# KiCad board SparkFun_Thing_Plus_ESP32-S3_panelized.kicad_pcb (continued)
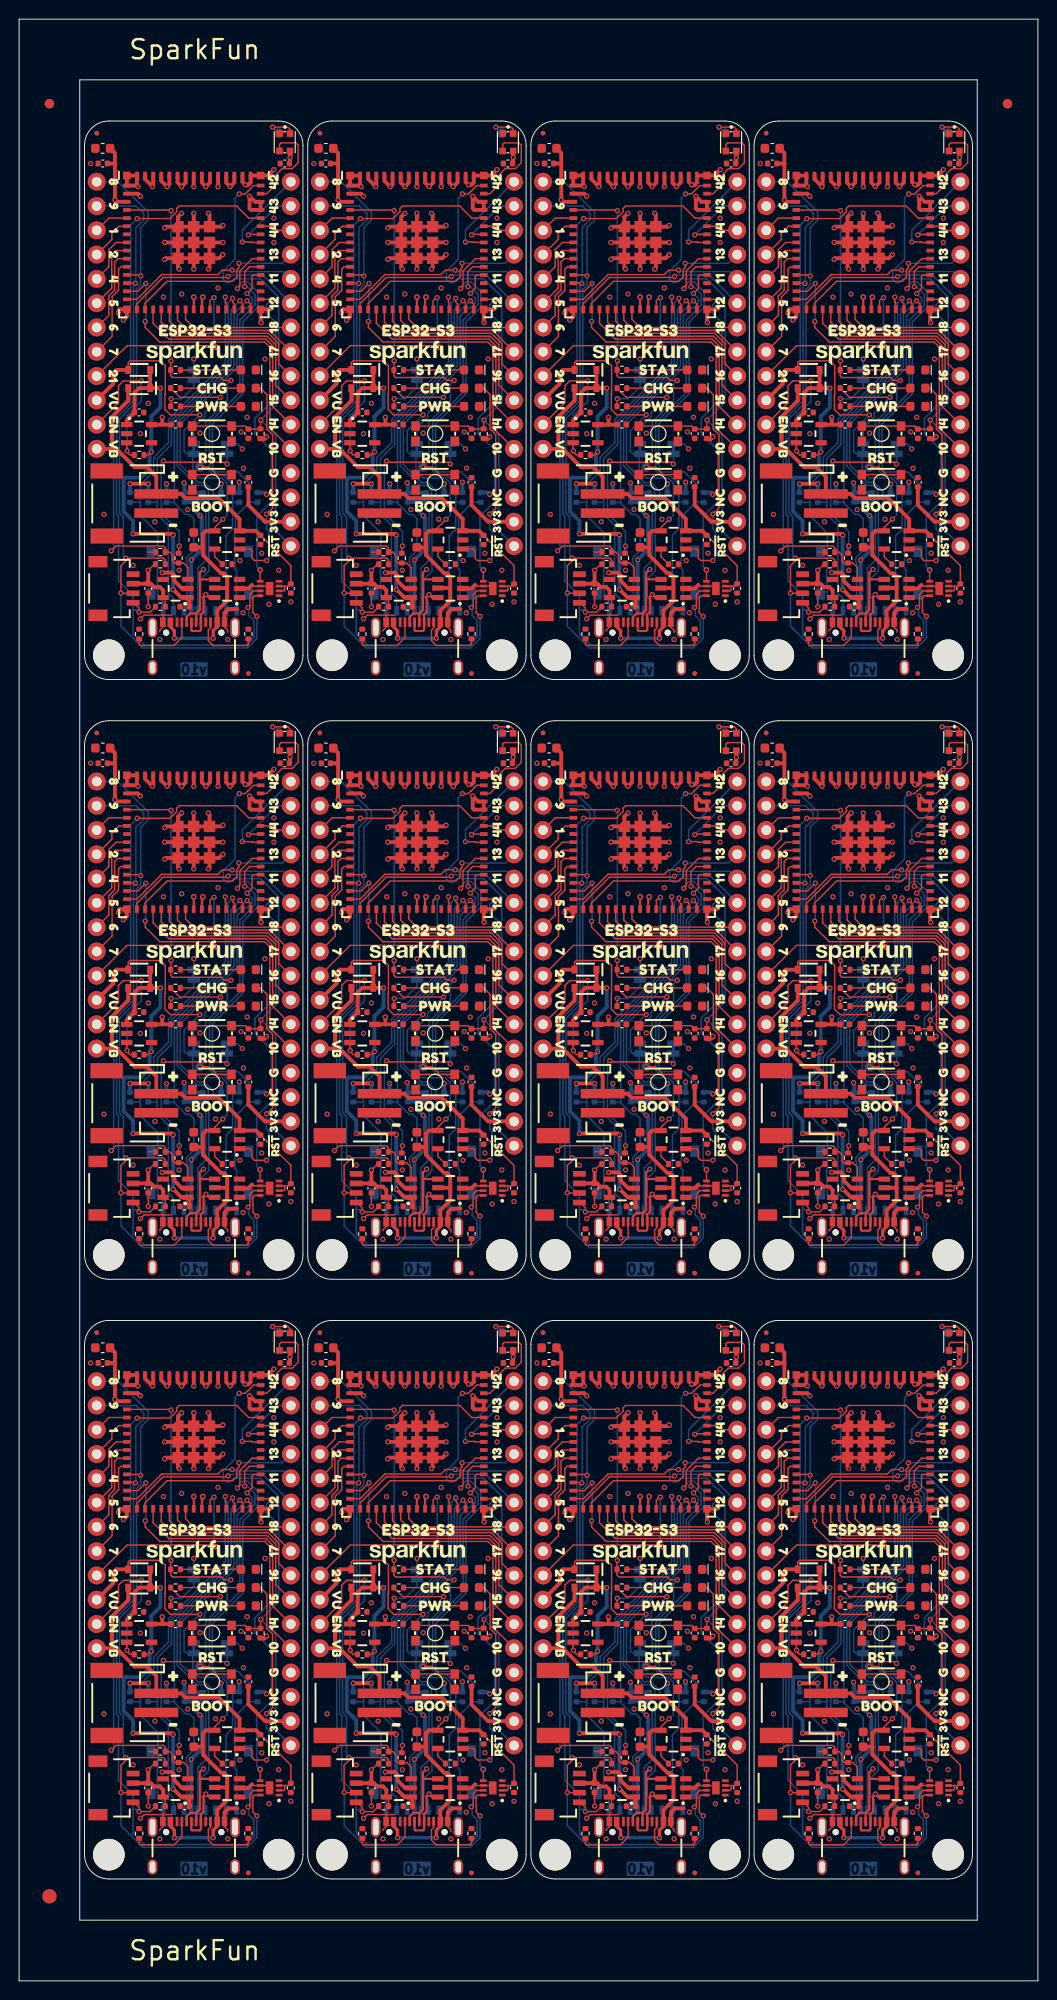
[diagram p0: board, top side]
## Placement (name value [footprint] x y rotation side) (continued)
kibuzzard-65A99354  G***  [kibuzzard-65A99354]  9.9 175.49 180 bottom
kibuzzard-65A99354#2  G***  [kibuzzard-65A99354]  9.9 112.76 180 bottom
kibuzzard-65A99354#3  G***  [kibuzzard-65A99354]  56.62 112.76 180 bottom
kibuzzard-65A99354#4  G***  [kibuzzard-65A99354]  33.26 112.76 180 bottom
kibuzzard-65A99354#5  G***  [kibuzzard-65A99354]  33.26 175.49 180 bottom
kibuzzard-65A99354#6  G***  [kibuzzard-65A99354]  33.26 50.03 180 bottom
kibuzzard-65A99354#7  G***  [kibuzzard-65A99354]  56.62 50.03 180 bottom
kibuzzard-65A99354#8  G***  [kibuzzard-65A99354]  79.98 112.76 180 bottom
kibuzzard-65A99354#9  G***  [kibuzzard-65A99354]  79.98 50.03 180 bottom
kibuzzard-65A99354#10  G***  [kibuzzard-65A99354]  79.98 175.49 180 bottom
kibuzzard-65A99354#11  G***  [kibuzzard-65A99354]  56.62 175.49 180 bottom
kibuzzard-65A99354#12  G***  [kibuzzard-65A99354]  9.9 50.03 180 bottom
kibuzzard-65A99359  G***  [kibuzzard-65A99359]  79.98 47.49 180 bottom
kibuzzard-65A99359#2  G***  [kibuzzard-65A99359]  33.26 47.49 180 bottom
kibuzzard-65A99359#3  G***  [kibuzzard-65A99359]  56.62 47.49 180 bottom
kibuzzard-65A99359#4  G***  [kibuzzard-65A99359]  33.26 172.95 180 bottom
kibuzzard-65A99359#5  G***  [kibuzzard-65A99359]  56.62 110.22 180 bottom
kibuzzard-65A99359#6  G***  [kibuzzard-65A99359]  9.9 110.22 180 bottom
kibuzzard-65A99359#7  G***  [kibuzzard-65A99359]  33.26 110.22 180 bottom
kibuzzard-65A99359#8  G***  [kibuzzard-65A99359]  9.9 172.95 180 bottom
kibuzzard-65A99359#9  G***  [kibuzzard-65A99359]  56.62 172.95 180 bottom
kibuzzard-65A99359#10  G***  [kibuzzard-65A99359]  79.98 110.22 180 bottom
kibuzzard-65A99359#11  G***  [kibuzzard-65A99359]  79.98 172.95 180 bottom
kibuzzard-65A99359#12  G***  [kibuzzard-65A99359]  9.9 47.49 180 bottom
kibuzzard-65A99360  G***  [kibuzzard-65A99360]  33.64 167.87 180 bottom
kibuzzard-65A99360#2  G***  [kibuzzard-65A99360]  33.64 42.41 180 bottom
kibuzzard-65A99360#3  G***  [kibuzzard-65A99360]  80.36 167.87 180 bottom
kibuzzard-65A99360#4  G***  [kibuzzard-65A99360]  10.28 105.14 180 bottom
kibuzzard-65A99360#5  G***  [kibuzzard-65A99360]  10.28 167.87 180 bottom
kibuzzard-65A99360#6  G***  [kibuzzard-65A99360]  33.64 105.14 180 bottom
kibuzzard-65A99360#7  G***  [kibuzzard-65A99360]  57 167.87 180 bottom
kibuzzard-65A99360#8  G***  [kibuzzard-65A99360]  57 42.41 180 bottom
kibuzzard-65A99360#9  G***  [kibuzzard-65A99360]  80.36 105.14 180 bottom
kibuzzard-65A99360#10  G***  [kibuzzard-65A99360]  57 105.14 180 bottom
kibuzzard-65A99360#11  G***  [kibuzzard-65A99360]  80.36 42.41 180 bottom
kibuzzard-65A99360#12  G***  [kibuzzard-65A99360]  10.28 42.41 180 bottom
kibuzzard-65A99364  G***  [kibuzzard-65A99364]  34.27 102.6 180 bottom
kibuzzard-65A99364#2  G***  [kibuzzard-65A99364]  80.99 102.6 180 bottom
kibuzzard-65A99364#3  G***  [kibuzzard-65A99364]  10.91 102.6 180 bottom
kibuzzard-65A99364#4  G***  [kibuzzard-65A99364]  10.91 165.33 180 bottom
kibuzzard-65A99364#5  G***  [kibuzzard-65A99364]  34.27 39.87 180 bottom
kibuzzard-65A99364#6  G***  [kibuzzard-65A99364]  34.27 165.33 180 bottom
kibuzzard-65A99364#7  G***  [kibuzzard-65A99364]  57.63 39.87 180 bottom
kibuzzard-65A99364#8  G***  [kibuzzard-65A99364]  57.63 102.6 180 bottom
kibuzzard-65A99364#9  G***  [kibuzzard-65A99364]  57.63 165.33 180 bottom
kibuzzard-65A99364#10  G***  [kibuzzard-65A99364]  80.99 39.87 180 bottom
kibuzzard-65A99364#11  G***  [kibuzzard-65A99364]  80.99 165.33 180 bottom
kibuzzard-65A99364#12  G***  [kibuzzard-65A99364]  10.91 39.87 180 bottom
kibuzzard-65A99367  G***  [kibuzzard-65A99367]  10.28 100.06 180 bottom
kibuzzard-65A99367#2  G***  [kibuzzard-65A99367]  10.28 162.79 180 bottom
kibuzzard-65A99367#3  G***  [kibuzzard-65A99367]  33.64 37.33 180 bottom
kibuzzard-65A99367#4  G***  [kibuzzard-65A99367]  57 37.33 180 bottom
kibuzzard-65A99367#5  G***  [kibuzzard-65A99367]  80.36 37.33 180 bottom
kibuzzard-65A99367#6  G***  [kibuzzard-65A99367]  57 162.79 180 bottom
kibuzzard-65A99367#7  G***  [kibuzzard-65A99367]  33.64 100.06 180 bottom
kibuzzard-65A99367#8  G***  [kibuzzard-65A99367]  80.36 100.06 180 bottom
kibuzzard-65A99367#9  G***  [kibuzzard-65A99367]  57 100.06 180 bottom
kibuzzard-65A99367#10  G***  [kibuzzard-65A99367]  80.36 162.79 180 bottom
kibuzzard-65A99367#11  G***  [kibuzzard-65A99367]  33.64 162.79 180 bottom
kibuzzard-65A99367#12  G***  [kibuzzard-65A99367]  10.28 37.33 180 bottom
kibuzzard-65A99912  G***  [kibuzzard-65A99912]  79.98 34.79 270 top
kibuzzard-65A99912#2  G***  [kibuzzard-65A99912]  56.62 160.25 270 top
kibuzzard-65A99912#3  G***  [kibuzzard-65A99912]  9.9 160.25 270 top
kibuzzard-65A99912#4  G***  [kibuzzard-65A99912]  33.26 97.52 270 top
kibuzzard-65A99912#5  G***  [kibuzzard-65A99912]  56.62 97.52 270 top
kibuzzard-65A99912#6  G***  [kibuzzard-65A99912]  33.26 34.79 270 top
kibuzzard-65A99912#7  G***  [kibuzzard-65A99912]  33.26 160.25 270 top
kibuzzard-65A99912#8  G***  [kibuzzard-65A99912]  9.9 97.52 270 top
kibuzzard-65A99912#9  G***  [kibuzzard-65A99912]  56.62 34.79 270 top
kibuzzard-65A99912#10  G***  [kibuzzard-65A99912]  79.98 97.52 270 top
kibuzzard-65A99912#11  G***  [kibuzzard-65A99912]  79.98 160.25 270 top
kibuzzard-65A99912#12  G***  [kibuzzard-65A99912]  9.9 34.79 270 top
kibuzzard-65A99933  G***  [kibuzzard-65A99933]  50.53 66.54 180 bottom
kibuzzard-65A99933#2  G***  [kibuzzard-65A99933]  50.53 192 180 bottom
kibuzzard-65A99933#3  G***  [kibuzzard-65A99933]  27.17 129.27 180 bottom
kibuzzard-65A99933#4  G***  [kibuzzard-65A99933]  27.17 192 180 bottom
kibuzzard-65A99933#5  G***  [kibuzzard-65A99933]  50.53 129.27 180 bottom
kibuzzard-65A99933#6  G***  [kibuzzard-65A99933]  73.89 66.54 180 bottom
kibuzzard-65A99933#7  G***  [kibuzzard-65A99933]  97.25 66.54 180 bottom
kibuzzard-65A99933#8  G***  [kibuzzard-65A99933]  97.25 129.27 180 bottom
kibuzzard-65A99933#9  G***  [kibuzzard-65A99933]  73.89 192 180 bottom
kibuzzard-65A99933#10  G***  [kibuzzard-65A99933]  73.89 129.27 180 bottom
kibuzzard-65A99933#11  G***  [kibuzzard-65A99933]  97.25 192 180 bottom
kibuzzard-65A99933#12  G***  [kibuzzard-65A99933]  27.17 66.54 180 bottom
kibuzzard-65AA9C9F  G***  [kibuzzard-65AA9C9F]  21.77 164.38 270 bottom
kibuzzard-65AA9C9F#2  G***  [kibuzzard-65AA9C9F]  45.13 101.65 270 bottom
kibuzzard-65AA9C9F#3  G***  [kibuzzard-65AA9C9F]  45.13 164.38 270 bottom
kibuzzard-65AA9C9F#4  G***  [kibuzzard-65AA9C9F]  68.49 38.92 270 bottom
kibuzzard-65AA9C9F#5  G***  [kibuzzard-65AA9C9F]  68.49 101.65 270 bottom
kibuzzard-65AA9C9F#6  G***  [kibuzzard-65AA9C9F]  91.85 38.92 270 bottom
kibuzzard-65AA9C9F#7  G***  [kibuzzard-65AA9C9F]  91.85 101.65 270 bottom
kibuzzard-65AA9C9F#8  G***  [kibuzzard-65AA9C9F]  21.77 101.65 270 bottom
kibuzzard-65AA9C9F#9  G***  [kibuzzard-65AA9C9F]  68.49 164.38 270 bottom
kibuzzard-65AA9C9F#10  G***  [kibuzzard-65AA9C9F]  45.13 38.92 270 bottom
kibuzzard-65AA9C9F#11  G***  [kibuzzard-65AA9C9F]  91.85 164.38 270 bottom
kibuzzard-65AA9C9F#12  G***  [kibuzzard-65AA9C9F]  21.77 38.92 270 bottom
kibuzzard-656A3D93  G***  [kibuzzard-656A3D93]  26.66 89.9 90 top
kibuzzard-656A3D93#2  G***  [kibuzzard-656A3D93]  50.02 89.9 90 top
kibuzzard-656A3D93#3  G***  [kibuzzard-656A3D93]  50.02 152.63 90 top
kibuzzard-656A3D93#4  G***  [kibuzzard-656A3D93]  50.02 27.17 90 top
kibuzzard-656A3D93#5  G***  [kibuzzard-656A3D93]  73.38 27.17 90 top
kibuzzard-656A3D93#6  G***  [kibuzzard-656A3D93]  73.38 89.9 90 top
kibuzzard-656A3D93#7  G***  [kibuzzard-656A3D93]  26.66 152.63 90 top
kibuzzard-656A3D93#8  G***  [kibuzzard-656A3D93]  73.38 152.63 90 top
kibuzzard-656A3D93#9  G***  [kibuzzard-656A3D93]  96.74 152.63 90 top
kibuzzard-656A3D93#10  G***  [kibuzzard-656A3D93]  96.74 27.17 90 top
kibuzzard-656A3D93#11  G***  [kibuzzard-656A3D93]  96.74 89.9 90 top
kibuzzard-656A3D93#12  G***  [kibuzzard-656A3D93]  26.66 27.17 90 top
kibuzzard-656A31AF  G***  [kibuzzard-656A31AF]  47.35 41.14 270 bottom
kibuzzard-656A31AF#2  G***  [kibuzzard-656A31AF]  70.72 103.87 270 bottom
kibuzzard-656A31AF#3  G***  [kibuzzard-656A31AF]  70.72 166.6 270 bottom
kibuzzard-656A31AF#4  G***  [kibuzzard-656A31AF]  24 166.6 270 bottom
kibuzzard-656A31AF#5  G***  [kibuzzard-656A31AF]  47.35 166.6 270 bottom
kibuzzard-656A31AF#6  G***  [kibuzzard-656A31AF]  47.35 103.87 270 bottom
kibuzzard-656A31AF#7  G***  [kibuzzard-656A31AF]  24 103.87 270 bottom
kibuzzard-656A31AF#8  G***  [kibuzzard-656A31AF]  70.72 41.14 270 bottom
kibuzzard-656A31AF#9  G***  [kibuzzard-656A31AF]  94.07 41.14 270 bottom
kibuzzard-656A31AF#10  G***  [kibuzzard-656A31AF]  94.07 103.87 270 bottom
kibuzzard-656A31AF#11  G***  [kibuzzard-656A31AF]  94.07 166.6 270 bottom
kibuzzard-656A31AF#12  G***  [kibuzzard-656A31AF]  24 41.14 270 bottom
kibuzzard-656A32A0  G***  [kibuzzard-656A32A0]  65 100.57 270 bottom
kibuzzard-656A32A0#2  G***  [kibuzzard-656A32A0]  88.36 100.57 270 bottom
kibuzzard-656A32A0#3  G***  [kibuzzard-656A32A0]  41.64 37.84 270 bottom
kibuzzard-656A32A0#4  G***  [kibuzzard-656A32A0]  18.28 100.57 270 bottom
kibuzzard-656A32A0#5  G***  [kibuzzard-656A32A0]  18.28 163.3 270 bottom
kibuzzard-656A32A0#6  G***  [kibuzzard-656A32A0]  41.64 163.3 270 bottom
kibuzzard-656A32A0#7  G***  [kibuzzard-656A32A0]  88.36 37.84 270 bottom
kibuzzard-656A32A0#8  G***  [kibuzzard-656A32A0]  88.36 163.3 270 bottom
kibuzzard-656A32A0#9  G***  [kibuzzard-656A32A0]  41.64 100.57 270 bottom
kibuzzard-656A32A0#10  G***  [kibuzzard-656A32A0]  65 163.3 270 bottom
kibuzzard-656A32A0#11  G***  [kibuzzard-656A32A0]  65 37.84 270 bottom
kibuzzard-656A32A0#12  G***  [kibuzzard-656A32A0]  18.28 37.84 270 bottom
kibuzzard-656A32FE  G***  [kibuzzard-656A32FE]  88.36 171.17 270 bottom
kibuzzard-656A32FE#2  G***  [kibuzzard-656A32FE]  41.64 45.71 270 bottom
kibuzzard-656A32FE#3  G***  [kibuzzard-656A32FE]  65 45.71 270 bottom
kibuzzard-656A32FE#4  G***  [kibuzzard-656A32FE]  65 171.17 270 bottom
kibuzzard-656A32FE#5  G***  [kibuzzard-656A32FE]  88.36 45.71 270 bottom
kibuzzard-656A32FE#6  G***  [kibuzzard-656A32FE]  65 108.44 270 bottom
kibuzzard-656A32FE#7  G***  [kibuzzard-656A32FE]  41.64 171.17 270 bottom
kibuzzard-656A32FE#8  G***  [kibuzzard-656A32FE]  18.28 108.44 270 bottom
kibuzzard-656A32FE#9  G***  [kibuzzard-656A32FE]  88.36 108.44 270 bottom
kibuzzard-656A32FE#10  G***  [kibuzzard-656A32FE]  18.28 171.17 270 bottom
kibuzzard-656A32FE#11  G***  [kibuzzard-656A32FE]  41.64 108.44 270 bottom
kibuzzard-656A32FE#12  G***  [kibuzzard-656A32FE]  18.28 45.71 270 bottom
kibuzzard-656A35A5  G***  [kibuzzard-656A35A5]  96.74 39.87 90 top
kibuzzard-656A35A5#2  G***  [kibuzzard-656A35A5]  73.38 102.6 90 top
kibuzzard-656A35A5#3  G***  [kibuzzard-656A35A5]  96.74 165.33 90 top
kibuzzard-656A35A5#4  G***  [kibuzzard-656A35A5]  50.02 39.87 90 top
kibuzzard-656A35A5#5  G***  [kibuzzard-656A35A5]  50.02 102.6 90 top
kibuzzard-656A35A5#6  G***  [kibuzzard-656A35A5]  50.02 165.33 90 top
kibuzzard-656A35A5#7  G***  [kibuzzard-656A35A5]  73.38 39.87 90 top
kibuzzard-656A35A5#8  G***  [kibuzzard-656A35A5]  26.66 102.6 90 top
kibuzzard-656A35A5#9  G***  [kibuzzard-656A35A5]  26.66 165.33 90 top
kibuzzard-656A35A5#10  G***  [kibuzzard-656A35A5]  73.38 165.33 90 top
kibuzzard-656A35A5#11  G***  [kibuzzard-656A35A5]  96.74 102.6 90 top
kibuzzard-656A35A5#12  G***  [kibuzzard-656A35A5]  26.66 39.87 90 top
kibuzzard-656A35AD  G***  [kibuzzard-656A35AD]  26.66 100.06 90 top
kibuzzard-656A35AD#2  G***  [kibuzzard-656A35AD]  26.66 162.79 90 top
kibuzzard-656A35AD#3  G***  [kibuzzard-656A35AD]  50.02 37.33 90 top
kibuzzard-656A35AD#4  G***  [kibuzzard-656A35AD]  50.02 162.79 90 top
kibuzzard-656A35AD#5  G***  [kibuzzard-656A35AD]  50.02 100.06 90 top
kibuzzard-656A35AD#6  G***  [kibuzzard-656A35AD]  73.38 37.33 90 top
kibuzzard-656A35AD#7  G***  [kibuzzard-656A35AD]  96.74 37.33 90 top
kibuzzard-656A35AD#8  G***  [kibuzzard-656A35AD]  73.38 100.06 90 top
kibuzzard-656A35AD#9  G***  [kibuzzard-656A35AD]  73.38 162.79 90 top
kibuzzard-656A35AD#10  G***  [kibuzzard-656A35AD]  96.74 100.06 90 top
kibuzzard-656A35AD#11  G***  [kibuzzard-656A35AD]  96.74 162.79 90 top
kibuzzard-656A35AD#12  G***  [kibuzzard-656A35AD]  26.66 37.33 90 top
kibuzzard-656A35B5  G***  [kibuzzard-656A35B5]  96.74 34.79 90 top
kibuzzard-656A35B5#2  G***  [kibuzzard-656A35B5]  50.02 97.52 90 top
kibuzzard-656A35B5#3  G***  [kibuzzard-656A35B5]  50.02 160.25 90 top
kibuzzard-656A35B5#4  G***  [kibuzzard-656A35B5]  73.38 160.25 90 top
kibuzzard-656A35B5#5  G***  [kibuzzard-656A35B5]  50.02 34.79 90 top
kibuzzard-656A35B5#6  G***  [kibuzzard-656A35B5]  96.74 97.52 90 top
kibuzzard-656A35B5#7  G***  [kibuzzard-656A35B5]  73.38 34.79 90 top
kibuzzard-656A35B5#8  G***  [kibuzzard-656A35B5]  73.38 97.52 90 top
kibuzzard-656A35B5#9  G***  [kibuzzard-656A35B5]  26.66 97.52 90 top
kibuzzard-656A35B5#10  G***  [kibuzzard-656A35B5]  26.66 160.25 90 top
kibuzzard-656A35B5#11  G***  [kibuzzard-656A35B5]  96.74 160.25 90 top
kibuzzard-656A35B5#12  G***  [kibuzzard-656A35B5]  26.66 34.79 90 top
kibuzzard-656A35BC  G***  [kibuzzard-656A35BC]  73.38 94.98 90 top
kibuzzard-656A35BC#2  G***  [kibuzzard-656A35BC]  50.02 32.25 90 top
kibuzzard-656A35BC#3  G***  [kibuzzard-656A35BC]  73.38 157.71 90 top
kibuzzard-656A35BC#4  G***  [kibuzzard-656A35BC]  96.74 94.98 90 top
kibuzzard-656A35BC#5  G***  [kibuzzard-656A35BC]  50.02 94.98 90 top
kibuzzard-656A35BC#6  G***  [kibuzzard-656A35BC]  96.74 32.25 90 top
kibuzzard-656A35BC#7  G***  [kibuzzard-656A35BC]  96.74 157.71 90 top
kibuzzard-656A35BC#8  G***  [kibuzzard-656A35BC]  26.66 94.98 90 top
kibuzzard-656A35BC#9  G***  [kibuzzard-656A35BC]  50.02 157.71 90 top
kibuzzard-656A35BC#10  G***  [kibuzzard-656A35BC]  26.66 157.71 90 top
kibuzzard-656A35BC#11  G***  [kibuzzard-656A35BC]  73.38 32.25 90 top
kibuzzard-656A35BC#12  G***  [kibuzzard-656A35BC]  26.66 32.25 90 top
kibuzzard-656A35C4  G***  [kibuzzard-656A35C4]  26.66 92.44 90 top
kibuzzard-656A35C4#2  G***  [kibuzzard-656A35C4]  50.02 29.71 90 top
kibuzzard-656A35C4#3  G***  [kibuzzard-656A35C4]  26.66 155.17 90 top
kibuzzard-656A35C4#4  G***  [kibuzzard-656A35C4]  96.74 155.17 90 top
kibuzzard-656A35C4#5  G***  [kibuzzard-656A35C4]  96.74 92.44 90 top
kibuzzard-656A35C4#6  G***  [kibuzzard-656A35C4]  73.38 29.71 90 top
kibuzzard-656A35C4#7  G***  [kibuzzard-656A35C4]  50.02 155.17 90 top
kibuzzard-656A35C4#8  G***  [kibuzzard-656A35C4]  73.38 92.44 90 top
kibuzzard-656A35C4#9  G***  [kibuzzard-656A35C4]  73.38 155.17 90 top
kibuzzard-656A35C4#10  G***  [kibuzzard-656A35C4]  96.74 29.71 90 top
kibuzzard-656A35C4#11  G***  [kibuzzard-656A35C4]  50.02 92.44 90 top
kibuzzard-656A35C4#12  G***  [kibuzzard-656A35C4]  26.66 29.71 90 top
kibuzzard-656A36A2  G***  [kibuzzard-656A36A2]  79.98 175.49 270 top
kibuzzard-656A36A2#2  G***  [kibuzzard-656A36A2]  9.9 175.49 270 top
kibuzzard-656A36A2#3  G***  [kibuzzard-656A36A2]  79.98 50.03 270 top
kibuzzard-656A36A2#4  G***  [kibuzzard-656A36A2]  56.62 175.49 270 top
kibuzzard-656A36A2#5  G***  [kibuzzard-656A36A2]  33.26 50.03 270 top
kibuzzard-656A36A2#6  G***  [kibuzzard-656A36A2]  33.26 112.76 270 top
kibuzzard-656A36A2#7  G***  [kibuzzard-656A36A2]  79.98 112.76 270 top
kibuzzard-656A36A2#8  G***  [kibuzzard-656A36A2]  33.26 175.49 270 top
kibuzzard-656A36A2#9  G***  [kibuzzard-656A36A2]  9.9 112.76 270 top
kibuzzard-656A36A2#10  G***  [kibuzzard-656A36A2]  56.62 112.76 270 top
kibuzzard-656A36A2#11  G***  [kibuzzard-656A36A2]  56.62 50.03 270 top
kibuzzard-656A36A2#12  G***  [kibuzzard-656A36A2]  9.9 50.03 270 top
kibuzzard-656A36A7  G***  [kibuzzard-656A36A7]  33.26 47.49 270 top
kibuzzard-656A36A7#2  G***  [kibuzzard-656A36A7]  79.98 47.49 270 top
kibuzzard-656A36A7#3  G***  [kibuzzard-656A36A7]  79.98 110.22 270 top
kibuzzard-656A36A7#4  G***  [kibuzzard-656A36A7]  33.26 172.95 270 top
kibuzzard-656A36A7#5  G***  [kibuzzard-656A36A7]  9.9 172.95 270 top
kibuzzard-656A36A7#6  G***  [kibuzzard-656A36A7]  56.62 172.95 270 top
kibuzzard-656A36A7#7  G***  [kibuzzard-656A36A7]  79.98 172.95 270 top
kibuzzard-656A36A7#8  G***  [kibuzzard-656A36A7]  56.62 47.49 270 top
kibuzzard-656A36A7#9  G***  [kibuzzard-656A36A7]  9.9 110.22 270 top
kibuzzard-656A36A7#10  G***  [kibuzzard-656A36A7]  33.26 110.22 270 top
kibuzzard-656A36A7#11  G***  [kibuzzard-656A36A7]  56.62 110.22 270 top
kibuzzard-656A36A7#12  G***  [kibuzzard-656A36A7]  9.9 47.49 270 top
kibuzzard-656A36C2  G***  [kibuzzard-656A36C2]  9.9 107.68 270 top
kibuzzard-656A36C2#2  G***  [kibuzzard-656A36C2]  9.9 170.41 270 top
kibuzzard-656A36C2#3  G***  [kibuzzard-656A36C2]  33.26 44.95 270 top
kibuzzard-656A36C2#4  G***  [kibuzzard-656A36C2]  33.26 107.68 270 top
kibuzzard-656A36C2#5  G***  [kibuzzard-656A36C2]  33.26 170.41 270 top
kibuzzard-656A36C2#6  G***  [kibuzzard-656A36C2]  56.62 44.95 270 top
kibuzzard-656A36C2#7  G***  [kibuzzard-656A36C2]  79.98 170.41 270 top
kibuzzard-656A36C2#8  G***  [kibuzzard-656A36C2]  56.62 107.68 270 top
kibuzzard-656A36C2#9  G***  [kibuzzard-656A36C2]  56.62 170.41 270 top
kibuzzard-656A36C2#10  G***  [kibuzzard-656A36C2]  79.98 107.68 270 top
kibuzzard-656A36C2#11  G***  [kibuzzard-656A36C2]  79.98 44.95 270 top
kibuzzard-656A36C2#12  G***  [kibuzzard-656A36C2]  9.9 44.95 270 top
kibuzzard-656A47C5  G***  [kibuzzard-656A47C5]  96.74 125.46 90 top
kibuzzard-656A47C5#2  G***  [kibuzzard-656A47C5]  96.74 188.19 90 top
kibuzzard-656A47C5#3  G***  [kibuzzard-656A47C5]  73.38 125.46 90 top
kibuzzard-656A47C5#4  G***  [kibuzzard-656A47C5]  50.02 62.73 90 top
kibuzzard-656A47C5#5  G***  [kibuzzard-656A47C5]  26.66 188.19 90 top
kibuzzard-656A47C5#6  G***  [kibuzzard-656A47C5]  50.02 125.46 90 top
kibuzzard-656A47C5#7  G***  [kibuzzard-656A47C5]  26.66 125.46 90 top
kibuzzard-656A47C5#8  G***  [kibuzzard-656A47C5]  50.02 188.19 90 top
kibuzzard-656A47C5#9  G***  [kibuzzard-656A47C5]  73.38 62.73 90 top
kibuzzard-656A47C5#10  G***  [kibuzzard-656A47C5]  73.38 188.19 90 top
kibuzzard-656A47C5#11  G***  [kibuzzard-656A47C5]  96.74 62.73 90 top
kibuzzard-656A47C5#12  G***  [kibuzzard-656A47C5]  26.66 62.73 90 top
kibuzzard-656A359E  G***  [kibuzzard-656A359E]  26.66 167.87 90 top
kibuzzard-656A359E#2  G***  [kibuzzard-656A359E]  26.66 105.14 90 top
kibuzzard-656A359E#3  G***  [kibuzzard-656A359E]  50.02 105.14 90 top
kibuzzard-656A359E#4  G***  [kibuzzard-656A359E]  73.38 105.14 90 top
kibuzzard-656A359E#5  G***  [kibuzzard-656A359E]  96.74 167.87 90 top
kibuzzard-656A359E#6  G***  [kibuzzard-656A359E]  50.02 42.41 90 top
kibuzzard-656A359E#7  G***  [kibuzzard-656A359E]  73.38 42.41 90 top
kibuzzard-656A359E#8  G***  [kibuzzard-656A359E]  50.02 167.87 90 top
kibuzzard-656A359E#9  G***  [kibuzzard-656A359E]  96.74 42.41 90 top
kibuzzard-656A359E#10  G***  [kibuzzard-656A359E]  73.38 167.87 90 top
kibuzzard-656A359E#11  G***  [kibuzzard-656A359E]  96.74 105.14 90 top
kibuzzard-656A359E#12  G***  [kibuzzard-656A359E]  26.66 42.41 90 top
kibuzzard-656A361F  G***  [kibuzzard-656A361F]  50.02 87.36 90 top
kibuzzard-656A361F#2  G***  [kibuzzard-656A361F]  26.66 150.09 90 top
kibuzzard-656A361F#3  G***  [kibuzzard-656A361F]  96.74 87.36 90 top
kibuzzard-656A361F#4  G***  [kibuzzard-656A361F]  50.02 150.09 90 top
kibuzzard-656A361F#5  G***  [kibuzzard-656A361F]  73.38 87.36 90 top
kibuzzard-656A361F#6  G***  [kibuzzard-656A361F]  73.38 150.09 90 top
kibuzzard-656A361F#7  G***  [kibuzzard-656A361F]  96.74 24.63 90 top
kibuzzard-656A361F#8  G***  [kibuzzard-656A361F]  96.74 150.09 90 top
kibuzzard-656A361F#9  G***  [kibuzzard-656A361F]  26.66 87.36 90 top
kibuzzard-656A361F#10  G***  [kibuzzard-656A361F]  50.02 24.63 90 top
kibuzzard-656A361F#11  G***  [kibuzzard-656A361F]  73.38 24.63 90 top
kibuzzard-656A361F#12  G***  [kibuzzard-656A361F]  26.66 24.63 90 top
kibuzzard-656A367B  G***  [kibuzzard-656A367B]  9.9 122.92 270 top
kibuzzard-656A367B#2  G***  [kibuzzard-656A367B]  33.26 60.19 270 top
kibuzzard-656A367B#3  G***  [kibuzzard-656A367B]  9.9 185.65 270 top
kibuzzard-656A367B#4  G***  [kibuzzard-656A367B]  33.26 122.92 270 top
kibuzzard-656A367B#5  G***  [kibuzzard-656A367B]  56.62 185.65 270 top
kibuzzard-656A367B#6  G***  [kibuzzard-656A367B]  79.98 60.19 270 top
kibuzzard-656A367B#7  G***  [kibuzzard-656A367B]  79.98 122.92 270 top
kibuzzard-656A367B#8  G***  [kibuzzard-656A367B]  56.62 122.92 270 top
kibuzzard-656A367B#9  G***  [kibuzzard-656A367B]  56.62 60.19 270 top
kibuzzard-656A367B#10  G***  [kibuzzard-656A367B]  79.98 185.65 270 top
kibuzzard-656A367B#11  G***  [kibuzzard-656A367B]  33.26 185.65 270 top
kibuzzard-656A367B#12  G***  [kibuzzard-656A367B]  9.9 60.19 270 top
kibuzzard-656A368C  G***  [kibuzzard-656A368C]  9.9 117.84 270 top
kibuzzard-656A368C#2  G***  [kibuzzard-656A368C]  9.9 180.57 270 top
kibuzzard-656A368C#3  G***  [kibuzzard-656A368C]  33.26 55.11 270 top
kibuzzard-656A368C#4  G***  [kibuzzard-656A368C]  33.26 117.84 270 top
kibuzzard-656A368C#5  G***  [kibuzzard-656A368C]  33.26 180.57 270 top
kibuzzard-656A368C#6  G***  [kibuzzard-656A368C]  56.62 55.11 270 top
kibuzzard-656A368C#7  G***  [kibuzzard-656A368C]  56.62 117.84 270 top
kibuzzard-656A368C#8  G***  [kibuzzard-656A368C]  79.98 180.57 270 top
kibuzzard-656A368C#9  G***  [kibuzzard-656A368C]  79.98 117.84 270 top
kibuzzard-656A368C#10  G***  [kibuzzard-656A368C]  79.98 55.11 270 top
kibuzzard-656A368C#11  G***  [kibuzzard-656A368C]  56.62 180.57 270 top
kibuzzard-656A368C#12  G***  [kibuzzard-656A368C]  9.9 55.11 270 top
kibuzzard-656A482A  G***  [kibuzzard-656A482A]  9.87 105.14 270 top
kibuzzard-656A482A#2  G***  [kibuzzard-656A482A]  56.59 105.14 270 top
kibuzzard-656A482A#3  G***  [kibuzzard-656A482A]  56.59 42.41 270 top
kibuzzard-656A482A#4  G***  [kibuzzard-656A482A]  9.87 167.87 270 top
kibuzzard-656A482A#5  G***  [kibuzzard-656A482A]  33.23 42.41 270 top
kibuzzard-656A482A#6  G***  [kibuzzard-656A482A]  33.23 105.14 270 top
kibuzzard-656A482A#7  G***  [kibuzzard-656A482A]  33.23 167.87 270 top
kibuzzard-656A482A#8  G***  [kibuzzard-656A482A]  56.59 167.87 270 top
kibuzzard-656A482A#9  G***  [kibuzzard-656A482A]  79.95 167.87 270 top
kibuzzard-656A482A#10  G***  [kibuzzard-656A482A]  79.95 105.14 270 top
kibuzzard-656A482A#11  G***  [kibuzzard-656A482A]  79.95 42.41 270 top
kibuzzard-656A482A#12  G***  [kibuzzard-656A482A]  9.87 42.41 270 top
kibuzzard-656A3526  G***  [kibuzzard-656A3526]  96.74 122.92 90 top
kibuzzard-656A3526#2  G***  [kibuzzard-656A3526]  73.38 122.92 90 top
kibuzzard-656A3526#3  G***  [kibuzzard-656A3526]  26.66 185.65 90 top
kibuzzard-656A3526#4  G***  [kibuzzard-656A3526]  50.02 122.92 90 top
kibuzzard-656A3526#5  G***  [kibuzzard-656A3526]  96.74 60.19 90 top
kibuzzard-656A3526#6  G***  [kibuzzard-656A3526]  26.66 122.92 90 top
kibuzzard-656A3526#7  G***  [kibuzzard-656A3526]  50.02 185.65 90 top
kibuzzard-656A3526#8  G***  [kibuzzard-656A3526]  73.38 185.65 90 top
kibuzzard-656A3526#9  G***  [kibuzzard-656A3526]  50.02 60.19 90 top
kibuzzard-656A3526#10  G***  [kibuzzard-656A3526]  73.38 60.19 90 top
kibuzzard-656A3526#11  G***  [kibuzzard-656A3526]  96.74 185.65 90 top
kibuzzard-656A3526#12  G***  [kibuzzard-656A3526]  26.66 60.19 90 top
kibuzzard-656A3552  G***  [kibuzzard-656A3552]  26.66 112.76 90 top
kibuzzard-656A3552#2  G***  [kibuzzard-656A3552]  50.02 175.49 90 top
kibuzzard-656A3552#3  G***  [kibuzzard-656A3552]  73.38 50.03 90 top
kibuzzard-656A3552#4  G***  [kibuzzard-656A3552]  26.66 175.49 90 top
kibuzzard-656A3552#5  G***  [kibuzzard-656A3552]  50.02 50.03 90 top
kibuzzard-656A3552#6  G***  [kibuzzard-656A3552]  73.38 112.76 90 top
kibuzzard-656A3552#7  G***  [kibuzzard-656A3552]  73.38 175.49 90 top
kibuzzard-656A3552#8  G***  [kibuzzard-656A3552]  50.02 112.76 90 top
kibuzzard-656A3552#9  G***  [kibuzzard-656A3552]  96.74 50.03 90 top
kibuzzard-656A3552#10  G***  [kibuzzard-656A3552]  96.74 112.76 90 top
kibuzzard-656A3552#11  G***  [kibuzzard-656A3552]  96.74 175.49 90 top
kibuzzard-656A3552#12  G***  [kibuzzard-656A3552]  26.66 50.03 90 top
kibuzzard-656A3559  G***  [kibuzzard-656A3559]  73.38 52.57 90 top
kibuzzard-656A3559#2  G***  [kibuzzard-656A3559]  96.74 115.3 90 top
kibuzzard-656A3559#3  G***  [kibuzzard-656A3559]  26.66 115.3 90 top
kibuzzard-656A3559#4  G***  [kibuzzard-656A3559]  73.38 115.3 90 top
kibuzzard-656A3559#5  G***  [kibuzzard-656A3559]  96.74 178.03 90 top
kibuzzard-656A3559#6  G***  [kibuzzard-656A3559]  73.38 178.03 90 top
kibuzzard-656A3559#7  G***  [kibuzzard-656A3559]  50.02 52.57 90 top
kibuzzard-656A3559#8  G***  [kibuzzard-656A3559]  50.02 178.03 90 top
kibuzzard-656A3559#9  G***  [kibuzzard-656A3559]  26.66 178.03 90 top
kibuzzard-656A3559#10  G***  [kibuzzard-656A3559]  50.02 115.3 90 top
kibuzzard-656A3559#11  G***  [kibuzzard-656A3559]  96.74 52.57 90 top
kibuzzard-656A3559#12  G***  [kibuzzard-656A3559]  26.66 52.57 90 top
kibuzzard-656A3560  G***  [kibuzzard-656A3560]  50.02 117.84 90 top
kibuzzard-656A3560#2  G***  [kibuzzard-656A3560]  26.66 180.57 90 top
kibuzzard-656A3560#3  G***  [kibuzzard-656A3560]  50.02 55.11 90 top